# KiCad board rgbwstrip120_250_panel.kicad_pcb (continued)
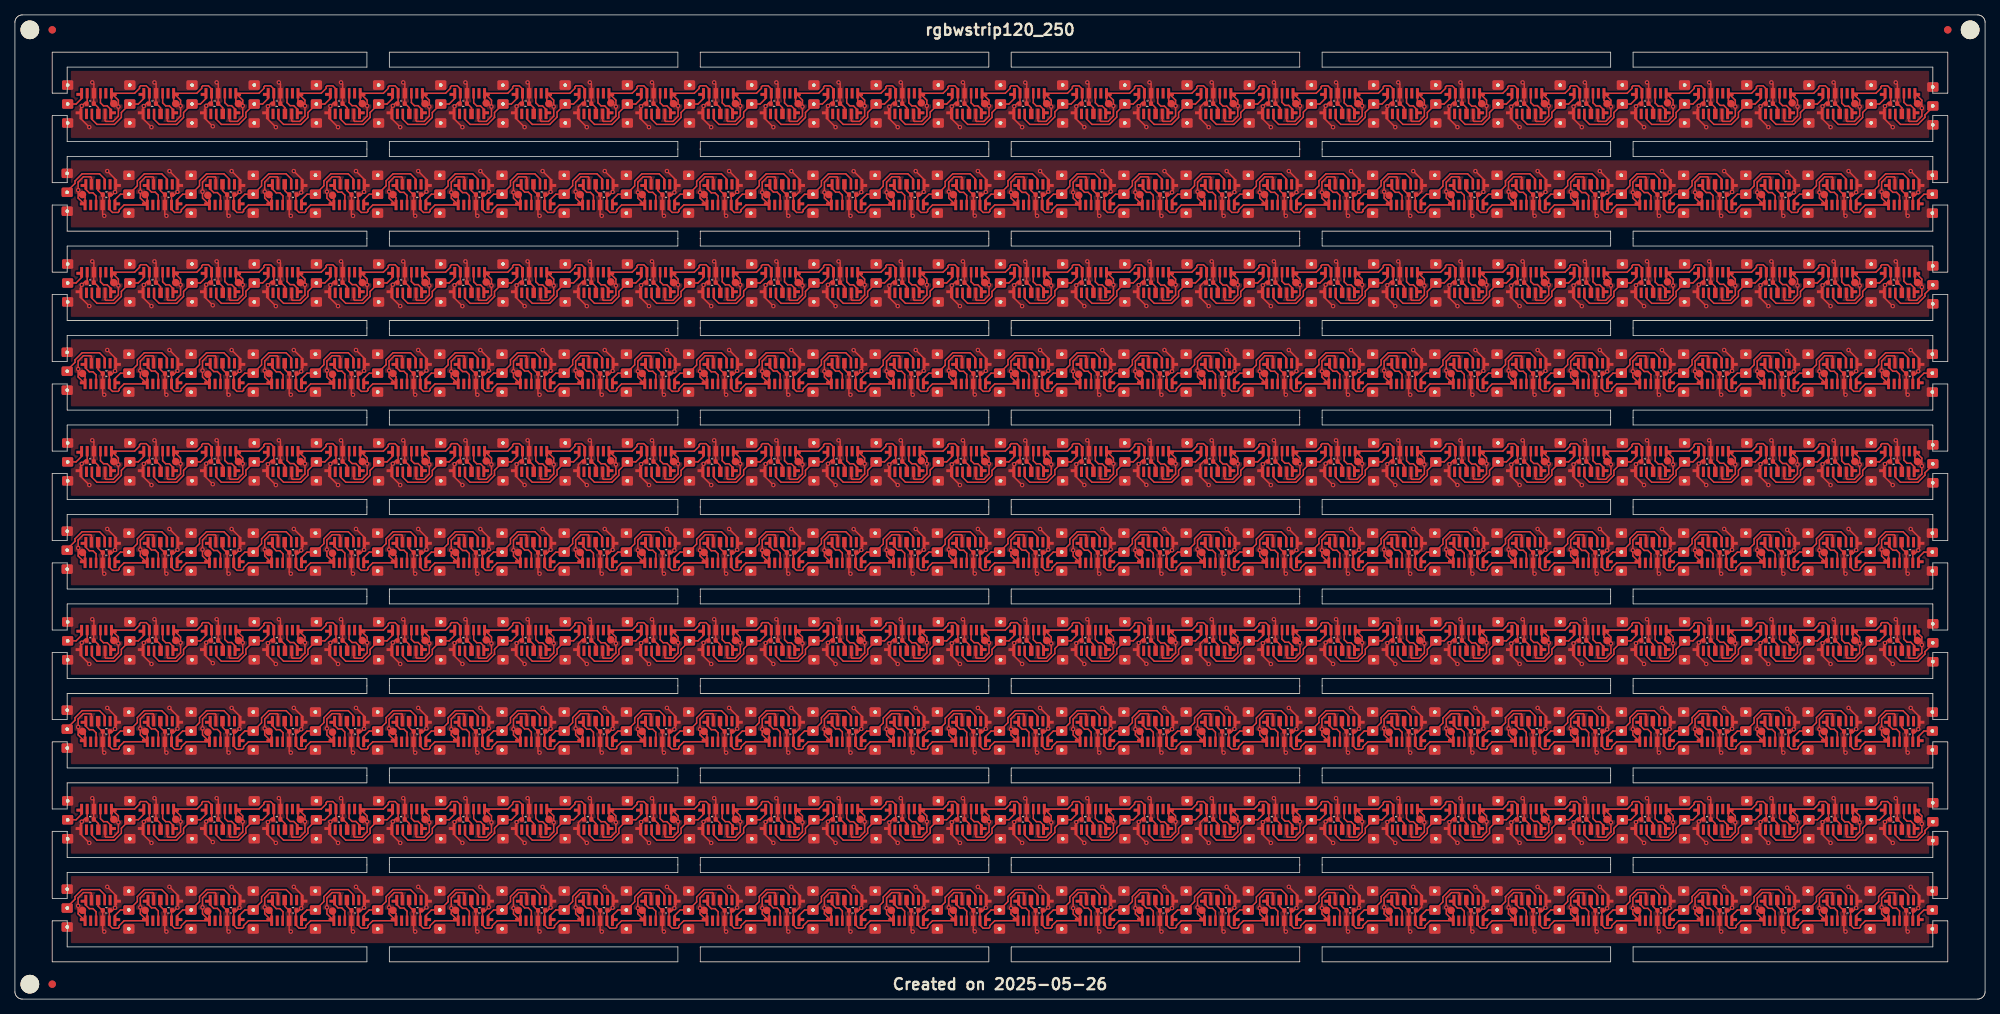
[diagram p0: board, top side]
## Placement (name value [footprint] x y rotation side) (continued)
U57#2  ~  [SK6805SIDE-FRGBW-BW-P6]  244.22 70.72 0 top
U57#3  ~  [SK6805SIDE-FRGBW-BW-P6]  19.78 37.28 180 top
U57#4  ~  [SK6805SIDE-FRGBW-BW-P6]  19.78 109.28 180 top
U57#5  ~  [SK6805SIDE-FRGBW-BW-P6]  244.22 22.72 0 top
U57#6  ~  [SK6805SIDE-FRGBW-BW-P6]  19.78 85.28 180 top
U57#7  ~  [SK6805SIDE-FRGBW-BW-P6]  244.22 94.72 0 top
U57#8  ~  [SK6805SIDE-FRGBW-BW-P6]  244.22 46.72 0 top
U57#9  ~  [SK6805SIDE-FRGBW-BW-P6]  19.78 61.28 180 top
U57#10  ~  [SK6805SIDE-FRGBW-BW-P6]  19.78 13.28 180 top
U58  ~  [SK6805SIDE-FRGBW-BW-P6]  19.78 34.51 0 top
U58#2  ~  [SK6805SIDE-FRGBW-BW-P6]  19.78 58.51 0 top
U58#3  ~  [SK6805SIDE-FRGBW-BW-P6]  19.78 10.51 0 top
U58#4  ~  [SK6805SIDE-FRGBW-BW-P6]  19.78 106.51 0 top
U58#5  ~  [SK6805SIDE-FRGBW-BW-P6]  244.22 73.49 180 top
U58#6  ~  [SK6805SIDE-FRGBW-BW-P6]  19.78 82.51 0 top
U58#7  ~  [SK6805SIDE-FRGBW-BW-P6]  244.22 121.49 180 top
U58#8  ~  [SK6805SIDE-FRGBW-BW-P6]  244.22 97.49 180 top
U58#9  ~  [SK6805SIDE-FRGBW-BW-P6]  244.22 25.49 180 top
U58#10  ~  [SK6805SIDE-FRGBW-BW-P6]  244.22 49.49 180 top
U59  ~  [SK6805SIDE-FRGBW-BW-P6]  252.55 22.72 0 top
U59#2  ~  [SK6805SIDE-FRGBW-BW-P6]  11.45 85.28 180 top
U59#3  ~  [SK6805SIDE-FRGBW-BW-P6]  252.55 94.72 0 top
U59#4  ~  [SK6805SIDE-FRGBW-BW-P6]  252.55 70.72 0 top
U59#5  ~  [SK6805SIDE-FRGBW-BW-P6]  11.45 37.28 180 top
U59#6  ~  [SK6805SIDE-FRGBW-BW-P6]  11.45 61.28 180 top
U59#7  ~  [SK6805SIDE-FRGBW-BW-P6]  11.45 109.28 180 top
U59#8  ~  [SK6805SIDE-FRGBW-BW-P6]  252.55 46.72 0 top
U59#9  ~  [SK6805SIDE-FRGBW-BW-P6]  11.45 13.28 180 top
U59#10  ~  [SK6805SIDE-FRGBW-BW-P6]  252.55 118.72 0 top
U60  ~  [SK6805SIDE-FRGBW-BW-P6]  252.55 25.49 180 top
U60#2  ~  [SK6805SIDE-FRGBW-BW-P6]  252.55 97.49 180 top
U60#3  ~  [SK6805SIDE-FRGBW-BW-P6]  11.45 10.51 0 top
U60#4  ~  [SK6805SIDE-FRGBW-BW-P6]  252.55 49.49 180 top
U60#5  ~  [SK6805SIDE-FRGBW-BW-P6]  11.45 106.51 0 top
U60#6  ~  [SK6805SIDE-FRGBW-BW-P6]  11.45 58.51 0 top
U60#7  ~  [SK6805SIDE-FRGBW-BW-P6]  11.45 34.51 0 top
U60#8  ~  [SK6805SIDE-FRGBW-BW-P6]  252.55 121.49 180 top
U60#9  ~  [SK6805SIDE-FRGBW-BW-P6]  252.55 73.49 180 top
U60#10  ~  [SK6805SIDE-FRGBW-BW-P6]  11.45 82.51 0 top

## Library data of the parts
C1 C1#2-C1#10 C2 C2#2-C2#10 C3 C3#2-C3#10 C4 C4#2-C4#10 C5 C5#2-C5#10 C6 C6#2-C6#10 C7 C7#2-C7#10 C8 C8#2-C8#10 C9 C9#2-C9#10 C10 C10#2-C10#10 C11 C11#2-C11#10 C12 C12#2-C12#10 C13 C13#2-C13#10 C14 C14#2-C14#10 C15 C15#2-C15#10 C16 C16#2-C16#10 C17 C17#2-C17#10 C18 C18#2-C18#10 C19 C19#2-C19#10 C20 C20#2-C20#10 C21 C21#2-C21#10 C22 C22#2-C22#10 C23 C23#2-C23#10 C24 C24#2-C24#10 C25 C25#2-C25#10 C26 C26#2-C26#10 C27 C27#2-C27#10 C28 C28#2-C28#10 C29 C29#2-C29#10 C30 C30#2-C30#10 = -: Description: Unpolarized capacitor; LCSC: C1525
J1 J1#2-J1#10 J2 J2#2-J2#10 J3 J3#2-J3#10 J4 J4#2-J4#10 J5 J5#2-J5#10 J6 J6#2-J6#10 J7 J7#2-J7#10 J8 J8#2-J8#10 J9 J9#2-J9#10 J10 J10#2-J10#10 J11 J11#2-J11#10 J12 J12#2-J12#10 J13 J13#2-J13#10 J14 J14#2-J14#10 J15 J15#2-J15#10 J16 J16#2-J16#10 J17 J17#2-J17#10 J18 J18#2-J18#10 J19 J19#2-J19#10 J20 J20#2-J20#10 J21 J21#2-J21#10 J22 J22#2-J22#10 J23 J23#2-J23#10 J24 J24#2-J24#10 J25 J25#2-J25#10 J26 J26#2-J26#10 J27 J27#2-J27#10 J28 J28#2-J28#10 J29 J29#2-J29#10 J30 J30#2-J30#10 J31 J31#2-J31#10 = -: Description: Generic connector, single row, 01x03, script generated (kicad-library-utils/schlib/autogen/connector/)
K1 K1#2-K1#10 K2 K2#2-K2#10 K3 K3#2-K3#10 K4 K4#2-K4#10 K5 K5#2-K5#10 K6 K6#2-K6#10 K7 K7#2-K7#10 K8 K8#2-K8#10 K9 K9#2-K9#10 K10 K10#2-K10#10 K11 K11#2-K11#10 K12 K12#2-K12#10 K13 K13#2-K13#10 K14 K14#2-K14#10 K15 K15#2-K15#10 K16 K16#2-K16#10 K17 K17#2-K17#10 K18 K18#2-K18#10 K19 K19#2-K19#10 K20 K20#2-K20#10 K21 K21#2-K21#10 K22 K22#2-K22#10 K23 K23#2-K23#10 K24 K24#2-K24#10 K25 K25#2-K25#10 K26 K26#2-K26#10 K27 K27#2-K27#10 K28 K28#2-K28#10 K29 K29#2-K29#10 K30 K30#2-K30#10 = -: Description: Generic connector, single row, 01x01, script generated (kicad-library-utils/schlib/autogen/connector/)
U1 U1#2-U1#10 U2 U2#2-U2#10 U3 U3#2-U3#10 U4 U4#2-U4#10 U5 U5#2-U5#10 U6 U6#2-U6#10 U7 U7#2-U7#10 U8 U8#2-U8#10 U9 U9#2-U9#10 U10 U10#2-U10#10 U11 U11#2-U11#10 U12 U12#2-U12#10 U13 U13#2-U13#10 U14 U14#2-U14#10 U15 U15#2-U15#10 U16 U16#2-U16#10 U17 U17#2-U17#10 U18 U18#2-U18#10 U19 U19#2-U19#10 U20 U20#2-U20#10 U21 U21#2-U21#10 U22 U22#2-U22#10 U23 U23#2-U23#10 U24 U24#2-U24#10 U25 U25#2-U25#10 U26 U26#2-U26#10 U27 U27#2-U27#10 U28 U28#2-U28#10 U29 U29#2-U29#10 U30 U30#2-U30#10 U31 U31#2-U31#10 U32 U32#2-U32#10 U33 U33#2-U33#10 U34 U34#2-U34#10 U35 U35#2-U35#10 U36 U36#2-U36#10 U37 U37#2-U37#10 U38 U38#2-U38#10 U39 U39#2-U39#10 U40 U40#2-U40#10 U41 U41#2-U41#10 U42 U42#2-U42#10 U43 U43#2-U43#10 U44 U44#2-U44#10 U45 U45#2-U45#10 U46 U46#2-U46#10 U47 U47#2-U47#10 U48 U48#2-U48#10 U49 U49#2-U49#10 U50 U50#2-U50#10 U51 U51#2-U51#10 U52 U52#2-U52#10 U53 U53#2-U53#10 U54 U54#2-U54#10 U55 U55#2-U55#10 U56 U56#2-U56#10 U57 U57#2-U57#10 U58 U58#2-U58#10 U59 U59#2-U59#10 U60 U60#2-U60#10 = -: LCSC: C7423108

## Footprints (pads in the part's own frame, mm; a bottom-side part is the same pattern mirrored in y, then rotated)
3PADSPLIT
  rrect 1.5x1.27 hole 0.5: 1(0,2.54) 2(0,0) 3(0,-2.54)
C_0402_1005Metric
  rrect 0.56x0.62 smd: 1(-0.48,0) 2(0.48,0)
Fiducial
  round 1 smd: (0,0)
NPTH
  round 2.5 hole 2.5 unplated: (0,0)
PINPAD
  round 1 smd: 1(0,0)
SK6805SIDE-FRGBW-BW-P6
  custom 0.9x1.4 smd: 1(-2.05,0) 6(1.95,0)
  custom 0.4x1.4 smd: 2(-1.3,0) 5(1.2,0)
  custom 0.35x1.4 smd: 3(-0.575,0)
  custom 0.6x1.4 smd: 4(0.3,0)

## Nets
Board_0-+3.3V: C1#8.1 C2#10.1 C3#8.1 C4#9.1 C5#2.1 C6#9.1 C7#10.1 C8#3.1 C9#6.1 C10#7.1 C11#7.1 C12#6.1 C13#9.1 C14.1 C15#7.1 C16#2.1 C17#4.1 C18#6.1 C19#3.1 C20#7.1 C21#3.1 C22#9.1 C23#5.1 C24#10.1 C25#3.1 C26#8.1 C27#9.1 C28#3.1 C29#7.1 C30#8.1 J1.1 J2#10.1 J3#10.1 J4#2.1 J5#6.1 J6.1 J7#6.1 J8#4.1 J9.1 J10#5.1 J11#10.1 J12#9.1 J13#7.1 J14#5.1 J15#6.1 J16#5.1 J17#5.1 J18#10.1 J19.1 J20#5.1 J21#5.1 J22#9.1 J23#9.1 J24#2.1 J25#5.1 J26#8.1 J27#10.1 J28#8.1 J29#4.1 J30#6.1 J31#10.1 K1#5.1 K2.1 K3#5.1 K4#8.1 K5#5.1 K6#4.1 K7#9.1 K8#5.1 K9#10.1 K10#10.1 K11#8.1 K12#3.1 K13#8.1 K14#9.1 K15#2.1 K16.1 K17#5.1 K18#8.1 K19.1 K20#10.1 K21#8.1 K22#10.1 K23#9.1 K24#4.1 K25#10.1 K26#4.1 K27#9.1 K28#7.1 K29#6.1 K30#8.1 U1#3.1 U1#3.5 U2#9.1 U2#9.5 U3#8.1 U3#8.5 U4#8.1 U4#8.5 U5#7.1 U5#7.5 U6#4.1 U6#4.5 U7#7.1 U7#7.5 U8#3.1 U8#3.5 U9#2.1 U9#2.5 U10#4.1 U10#4.5 U11#7.1 U11#7.5 U12.1 U12.5 U13#4.1 U13#4.5 U14#6.1 U14#6.5 U15#7.1 U15#7.5 U16#5.1 U16#5.5 U17#7.1 U17#7.5 U18#5.1 U18#5.5 U19#9.1 U19#9.5 U20#4.1 U20#4.5 U21#9.1 U21#9.5 U22#2.1 U22#2.5 U23#8.1 U23#8.5 U24#4.1 U24#4.5 U25#8.1 U25#8.5 U26#4.1 U26#4.5 U27#8.1 U27#8.5 U28#4.1 U28#4.5 U29#2.1 U29#2.5 U30#3.1 U30#3.5 U31#9.1 U31#9.5 U32#5.1 U32#5.5 U33#5.1 U33#5.5 U34#5.1 U34#5.5 U35#6.1 U35#6.5 U36.1 U36.5 U37#8.1 U37#8.5 U38#4.1 U38#4.5 U39#10.1 U39#10.5 U40#7.1 U40#7.5 U41#7.1 U41#7.5 U42#6.1 U42#6.5 U43#2.1 U43#2.5 U44#9.1 U44#9.5 U45#6.1 U45#6.5 U46.1 U46.5 U47#9.1 U47#9.5 U48#10.1 U48#10.5 U49#3.1 U49#3.5 U50.1 U50.5 U51#9.1 U51#9.5 U52#7.1 U52#7.5 U53#5.1 U53#5.5 U54#4.1 U54#4.5 U55#6.1 U55#6.5 U56#4.1 U56#4.5 U57.1 U57.5 U58#7.1 U58#7.5 U59#10.1 U59#10.5 U60#8.1 U60#8.5
Board_0-GND: C1#8.2 C2#10.2 C3#8.2 C4#9.2 C5#2.2 C6#9.2 C7#10.2 C8#3.2 C9#6.2 C10#7.2 C11#7.2 C12#6.2 C13#9.2 C14.2 C15#7.2 C16#2.2 C17#4.2 C18#6.2 C19#3.2 C20#7.2 C21#3.2 C22#9.2 C23#5.2 C24#10.2 C25#3.2 C26#8.2 C27#9.2 C28#3.2 C29#7.2 C30#8.2 J1.3 J2#10.3 J3#10.3 J4#2.3 J5#6.3 J6.3 J7#6.3 J8#4.3 J9.3 J10#5.3 J11#10.3 J12#9.3 J13#7.3 J14#5.3 J15#6.3 J16#5.3 J17#5.3 J18#10.3 J19.3 J20#5.3 J21#5.3 J22#9.3 J23#9.3 J24#2.3 J25#5.3 J26#8.3 J27#10.3 J28#8.3 J29#4.3 J30#6.3 J31#10.3 U1#3.4 U2#9.4 U3#8.4 U4#8.4 U5#7.4 U6#4.4 U7#7.4 U8#3.4 U9#2.4 U10#4.4 U11#7.4 U12.4 U13#4.4 U14#6.4 U15#7.4 U16#5.4 U17#7.4 U18#5.4 U19#9.4 U20#4.4 U21#9.4 U22#2.4 U23#8.4 U24#4.4 U25#8.4 U26#4.4 U27#8.4 U28#4.4 U29#2.4 U30#3.4 U31#9.4 U32#5.4 U33#5.4 U34#5.4 U35#6.4 U36.4 U37#8.4 U38#4.4 U39#10.4 U40#7.4 U41#7.4 U42#6.4 U43#2.4 U44#9.4 U45#6.4 U46.4 U47#9.4 U48#10.4 U49#3.4 U50.4 U51#9.4 U52#7.4 U53#5.4 U54#4.4 U55#6.4 U56#4.4 U57.4 U58#7.4 U59#10.4 U60#8.4
Board_0-Net-(J1-Pin_2): J1.2 U2#9.6
Board_0-Net-(J2-Pin_2): J2#10.2 U1#3.3 U4#8.6
Board_0-Net-(J3-Pin_2): J3#10.2 U3#8.3 U6#4.6
Board_0-Net-(J4-Pin_2): J4#2.2 U5#7.3 U8#3.6
Board_0-Net-(J5-Pin_2): J5#6.2 U7#7.3 U10#4.6
Board_0-Net-(J6-Pin_2): J6.2 U9#2.3 U12.6
Board_0-Net-(J7-Pin_2): J7#6.2 U11#7.3 U14#6.6
Board_0-Net-(J8-Pin_2): J8#4.2 U13#4.3 U16#5.6
Board_0-Net-(J9-Pin_2): J9.2 U15#7.3 U18#5.6
Board_0-Net-(J10-Pin_2): J10#5.2 U17#7.3 U20#4.6
Board_0-Net-(J11-Pin_2): J11#10.2 U19#9.3 U22#2.6
Board_0-Net-(J12-Pin_2): J12#9.2 U21#9.3 U24#4.6
Board_0-Net-(J13-Pin_2): J13#7.2 U23#8.3 U26#4.6
Board_0-Net-(J14-Pin_2): J14#5.2 U25#8.3 U28#4.6
Board_0-Net-(J15-Pin_2): J15#6.2 U27#8.3 U30#3.6
Board_0-Net-(J16-Pin_2): J16#5.2 U29#2.3 U32#5.6
Board_0-Net-(J17-Pin_2): J17#5.2 U31#9.3 U34#5.6
Board_0-Net-(J18-Pin_2): J18#10.2 U33#5.3 U36.6
Board_0-Net-(J19-Pin_2): J19.2 U35#6.3 U38#4.6
Board_0-Net-(J20-Pin_2): J20#5.2 U37#8.3 U40#7.6
Board_0-Net-(J21-Pin_2): J21#5.2 U39#10.3 U42#6.6
Board_0-Net-(J22-Pin_2): J22#9.2 U41#7.3 U44#9.6
Board_0-Net-(J23-Pin_2): J23#9.2 U43#2.3 U46.6
Board_0-Net-(J24-Pin_2): J24#2.2 U45#6.3 U48#10.6
Board_0-Net-(J25-Pin_2): J25#5.2 U47#9.3 U50.6
Board_0-Net-(J26-Pin_2): J26#8.2 U49#3.3 U52#7.6
Board_0-Net-(J27-Pin_2): J27#10.2 U51#9.3 U54#4.6
Board_0-Net-(J28-Pin_2): J28#8.2 U53#5.3 U56#4.6
Board_0-Net-(J29-Pin_2): J29#4.2 U55#6.3 U58#7.6
Board_0-Net-(J30-Pin_2): J30#6.2 U57.3 U60#8.6
Board_0-Net-(J31-Pin_2): J31#10.2 U59#10.3
Board_0-Net-(U1-DIN): U1#3.6 U2#9.3
Board_0-Net-(U3-DIN): U3#8.6 U4#8.3
Board_0-Net-(U5-DIN): U5#7.6 U6#4.3
Board_0-Net-(U7-DIN): U7#7.6 U8#3.3
Board_0-Net-(U10-DOUT): U9#2.6 U10#4.3
Board_0-Net-(U11-DIN): U11#7.6 U12.3
Board_0-Net-(U13-DIN): U13#4.6 U14#6.3
Board_0-Net-(U15-DIN): U15#7.6 U16#5.3
Board_0-Net-(U17-DIN): U17#7.6 U18#5.3
Board_0-Net-(U19-DIN): U19#9.6 U20#4.3
Board_0-Net-(U21-DIN): U21#9.6 U22#2.3
Board_0-Net-(U23-DIN): U23#8.6 U24#4.3
Board_0-Net-(U25-DIN): U25#8.6 U26#4.3
Board_0-Net-(U27-DIN): U27#8.6 U28#4.3
Board_0-Net-(U29-DIN): U29#2.6 U30#3.3
Board_0-Net-(U31-DIN): U31#9.6 U32#5.3
Board_0-Net-(U33-DIN): U33#5.6 U34#5.3
Board_0-Net-(U35-DIN): U35#6.6 U36.3
Board_0-Net-(U37-DIN): U37#8.6 U38#4.3
Board_0-Net-(U39-DIN): U39#10.6 U40#7.3
Board_0-Net-(U41-DIN): U41#7.6 U42#6.3
Board_0-Net-(U43-DIN): U43#2.6 U44#9.3
Board_0-Net-(U45-DIN): U45#6.6 U46.3
Board_0-Net-(U47-DIN): U47#9.6 U48#10.3
Board_0-Net-(U49-DIN): U49#3.6 U50.3
Board_0-Net-(U51-DIN): U51#9.6 U52#7.3
Board_0-Net-(U53-DIN): U53#5.6 U54#4.3
Board_0-Net-(U55-DIN): U55#6.6 U56#4.3
Board_0-Net-(U57-DIN): U57.6 U58#7.3
Board_0-Net-(U59-DIN): U59#10.6 U60#8.3
Board_0-unconnected-(U1-NC-Pad2): U1#3.2
Board_0-unconnected-(U2-NC-Pad2): U2#9.2
Board_0-unconnected-(U3-NC-Pad2): U3#8.2
Board_0-unconnected-(U4-NC-Pad2): U4#8.2
Board_0-unconnected-(U5-NC-Pad2): U5#7.2
Board_0-unconnected-(U6-NC-Pad2): U6#4.2
Board_0-unconnected-(U7-NC-Pad2): U7#7.2
Board_0-unconnected-(U8-NC-Pad2): U8#3.2
Board_0-unconnected-(U9-NC-Pad2): U9#2.2
Board_0-unconnected-(U10-NC-Pad2): U10#4.2
Board_0-unconnected-(U11-NC-Pad2): U11#7.2
Board_0-unconnected-(U12-NC-Pad2): U12.2
Board_0-unconnected-(U13-NC-Pad2): U13#4.2
Board_0-unconnected-(U14-NC-Pad2): U14#6.2
Board_0-unconnected-(U15-NC-Pad2): U15#7.2
Board_0-unconnected-(U16-NC-Pad2): U16#5.2
Board_0-unconnected-(U17-NC-Pad2): U17#7.2
Board_0-unconnected-(U18-NC-Pad2): U18#5.2
Board_0-unconnected-(U19-NC-Pad2): U19#9.2
Board_0-unconnected-(U20-NC-Pad2): U20#4.2
Board_0-unconnected-(U21-NC-Pad2): U21#9.2
Board_0-unconnected-(U22-NC-Pad2): U22#2.2
Board_0-unconnected-(U23-NC-Pad2): U23#8.2
Board_0-unconnected-(U24-NC-Pad2): U24#4.2
Board_0-unconnected-(U25-NC-Pad2): U25#8.2
Board_0-unconnected-(U26-NC-Pad2): U26#4.2
Board_0-unconnected-(U27-NC-Pad2): U27#8.2
Board_0-unconnected-(U28-NC-Pad2): U28#4.2
Board_0-unconnected-(U29-NC-Pad2): U29#2.2
Board_0-unconnected-(U30-NC-Pad2): U30#3.2
Board_0-unconnected-(U31-NC-Pad2): U31#9.2
Board_0-unconnected-(U32-NC-Pad2): U32#5.2
Board_0-unconnected-(U33-NC-Pad2): U33#5.2
Board_0-unconnected-(U34-NC-Pad2): U34#5.2
Board_0-unconnected-(U35-NC-Pad2): U35#6.2
Board_0-unconnected-(U36-NC-Pad2): U36.2
Board_0-unconnected-(U37-NC-Pad2): U37#8.2
Board_0-unconnected-(U38-NC-Pad2): U38#4.2
Board_0-unconnected-(U39-NC-Pad2): U39#10.2
Board_0-unconnected-(U40-NC-Pad2): U40#7.2
Board_0-unconnected-(U41-NC-Pad2): U41#7.2
Board_0-unconnected-(U42-NC-Pad2): U42#6.2
Board_0-unconnected-(U43-NC-Pad2): U43#2.2
Board_0-unconnected-(U44-NC-Pad2): U44#9.2
Board_0-unconnected-(U45-NC-Pad2): U45#6.2
Board_0-unconnected-(U46-NC-Pad2): U46.2
Board_0-unconnected-(U47-NC-Pad2): U47#9.2
Board_0-unconnected-(U48-NC-Pad2): U48#10.2
Board_0-unconnected-(U49-NC-Pad2): U49#3.2
Board_0-unconnected-(U50-NC-Pad2): U50.2
Board_0-unconnected-(U51-NC-Pad2): U51#9.2
Board_0-unconnected-(U52-NC-Pad2): U52#7.2
Board_0-unconnected-(U53-NC-Pad2): U53#5.2
Board_0-unconnected-(U54-NC-Pad2): U54#4.2
Board_0-unconnected-(U55-NC-Pad2): U55#6.2
Board_0-unconnected-(U56-NC-Pad2): U56#4.2
Board_0-unconnected-(U57-NC-Pad2): U57.2
Board_0-unconnected-(U58-NC-Pad2): U58#7.2
Board_0-unconnected-(U59-NC-Pad2): U59#10.2
Board_0-unconnected-(U60-NC-Pad2): U60#8.2
Board_1-+3.3V: C1#5.1 C2#3.1 C3#3.1 C4.1 C5#5.1 C6#6.1 C7#6.1 C8#10.1 C9#10.1 C10.1 C11.1 C12#7.1 C13.1 C14#3.1 C15#4.1 C16#10.1 C17#7.1 C18.1 C19#2.1 C20#4.1 C21#2.1 C22.1 C23.1 C24#8.1 C25#10.1 C26.1 C27#8.1 C28#4.1 C29#6.1 C30#7.1 J1#7.1 J2#9.1 J3#6.1 J4.1 J5#7.1 J6#8.1 J7#8.1 J8#10.1 J9#2.1 J10#8.1 J11#7.1 J12.1 J13#10.1 J14#10.1 J15#2.1 J16#10.1 J17.1 J18#7.1 J19#8.1 J20#7.1 J21#8.1 J22#4.1 J23#8.1 J24#3.1 J25#6.1 J26#4.1 J27.1 J28#7.1 J29#7.1 J30#10.1 J31#6.1 K1#4.1 K2#2.1 K3#9.1 K4#7.1 K5#6.1 K6#9.1 K7#3.1 K8#6.1 K9#3.1 K10#6.1 K11#7.1 K12#7.1 K13#5.1 K14#2.1 K15#4.1 K16#4.1 K17#8.1 K18#2.1 K19#9.1 K20#6.1 K21#6.1 K22#4.1 K23#7.1 K24#8.1 K25#6.1 K26#5.1 K27#2.1 K28.1 K29#2.1 K30#7.1 U1#6.1 U1#6.5 U2#2.1 U2#2.5 U3#10.1 U3#10.5 U4#6.1 U4#6.5 U5.1 U5.5 U6#6.1 U6#6.5 U7#10.1 U7#10.5 U8#8.1 U8#8.5 U9#10.1 U9#10.5 U10#9.1 U10#9.5 U11#8.1 U11#8.5 U12#5.1 U12#5.5 U13#2.1 U13#2.5 U14#3.1 U14#3.5 U15#5.1 U15#5.5 U16#8.1 U16#8.5 U17#10.1 U17#10.5 U18#10.1 U18#10.5 U19#4.1 U19#4.5 U20#5.1 U20#5.5 U21#7.1 U21#7.5 U22#10.1 U22#10.5 U23#10.1 U23#10.5 U24#5.1 U24#5.5 U25#4.1 U25#4.5 U26#6.1 U26#6.5 U27#9.1 U27#9.5 U28#3.1 U28#3.5 U29#8.1 U29#8.5 U30#9.1 U30#9.5 U31#3.1 U31#3.5 U32.1 U32.5 U33#9.1 U33#9.5 U34#2.1 U34#2.5 U35#10.1 U35#10.5 U36#5.1 U36#5.5 U37#5.1 U37#5.5 U38#9.1 U38#9.5 U39#8.1 U39#8.5 U40#3.1 U40#3.5 U41#10.1 U41#10.5 U42#4.1 U42#4.5 U43#9.1 U43#9.5 U44#7.1 U44#7.5 U45#8.1 U45#8.5 U46#5.1 U46#5.5 U47.1 U47.5 U48#6.1 U48#6.5 U49#2.1 U49#2.5 U50#3.1 U50#3.5 U51#10.1 U51#10.5 U52#2.1 U52#2.5 U53#2.1 U53#2.5 U54#8.1 U54#8.5 U55#5.1 U55#5.5 U56.1 U56.5 U57#4.1 U57#4.5 U58#4.1 U58#4.5 U59#7.1 U59#7.5 U60#5.1 U60#5.5
Board_1-GND: C1#5.2 C2#3.2 C3#3.2 C4.2 C5#5.2 C6#6.2 C7#6.2 C8#10.2 C9#10.2 C10.2 C11.2 C12#7.2 C13.2 C14#3.2 C15#4.2 C16#10.2 C17#7.2 C18.2 C19#2.2 C20#4.2 C21#2.2 C22.2 C23.2 C24#8.2 C25#10.2 C26.2 C27#8.2 C28#4.2 C29#6.2 C30#7.2 J1#7.3 J2#9.3 J3#6.3 J4.3 J5#7.3 J6#8.3 J7#8.3 J8#10.3 J9#2.3 J10#8.3 J11#7.3 J12.3 J13#10.3 J14#10.3 J15#2.3 J16#10.3 J17.3 J18#7.3 J19#8.3 J20#7.3 J21#8.3 J22#4.3 J23#8.3 J24#3.3 J25#6.3 J26#4.3 J27.3 J28#7.3 J29#7.3 J30#10.3 J31#6.3 U1#6.4 U2#2.4 U3#10.4 U4#6.4 U5.4 U6#6.4 U7#10.4 U8#8.4 U9#10.4 U10#9.4 U11#8.4 U12#5.4 U13#2.4 U14#3.4 U15#5.4 U16#8.4 U17#10.4 U18#10.4 U19#4.4 U20#5.4 U21#7.4 U22#10.4 U23#10.4 U24#5.4 U25#4.4 U26#6.4 U27#9.4 U28#3.4 U29#8.4 U30#9.4 U31#3.4 U32.4 U33#9.4 U34#2.4 U35#10.4 U36#5.4 U37#5.4 U38#9.4 U39#8.4 U40#3.4 U41#10.4 U42#4.4 U43#9.4 U44#7.4 U45#8.4 U46#5.4 U47.4 U48#6.4 U49#2.4 U50#3.4 U51#10.4 U52#2.4 U53#2.4 U54#8.4 U55#5.4 U56.4 U57#4.4 U58#4.4 U59#7.4 U60#5.4
Board_1-Net-(J1-Pin_2): J1#7.2 U2#2.6
Board_1-Net-(J2-Pin_2): J2#9.2 U1#6.3 U4#6.6
Board_1-Net-(J3-Pin_2): J3#6.2 U3#10.3 U6#6.6
Board_1-Net-(J4-Pin_2): J4.2 U5.3 U8#8.6
Board_1-Net-(J5-Pin_2): J5#7.2 U7#10.3 U10#9.6
Board_1-Net-(J6-Pin_2): J6#8.2 U9#10.3 U12#5.6
Board_1-Net-(J7-Pin_2): J7#8.2 U11#8.3 U14#3.6
Board_1-Net-(J8-Pin_2): J8#10.2 U13#2.3 U16#8.6
Board_1-Net-(J9-Pin_2): J9#2.2 U15#5.3 U18#10.6
Board_1-Net-(J10-Pin_2): J10#8.2 U17#10.3 U20#5.6
Board_1-Net-(J11-Pin_2): J11#7.2 U19#4.3 U22#10.6
Board_1-Net-(J12-Pin_2): J12.2 U21#7.3 U24#5.6
Board_1-Net-(J13-Pin_2): J13#10.2 U23#10.3 U26#6.6
Board_1-Net-(J14-Pin_2): J14#10.2 U25#4.3 U28#3.6
Board_1-Net-(J15-Pin_2): J15#2.2 U27#9.3 U30#9.6
Board_1-Net-(J16-Pin_2): J16#10.2 U29#8.3 U32.6
Board_1-Net-(J17-Pin_2): J17.2 U31#3.3 U34#2.6
Board_1-Net-(J18-Pin_2): J18#7.2 U33#9.3 U36#5.6
Board_1-Net-(J19-Pin_2): J19#8.2 U35#10.3 U38#9.6
Board_1-Net-(J20-Pin_2): J20#7.2 U37#5.3 U40#3.6
Board_1-Net-(J21-Pin_2): J21#8.2 U39#8.3 U42#4.6
Board_1-Net-(J22-Pin_2): J22#4.2 U41#10.3 U44#7.6
Board_1-Net-(J23-Pin_2): J23#8.2 U43#9.3 U46#5.6
Board_1-Net-(J24-Pin_2): J24#3.2 U45#8.3 U48#6.6
Board_1-Net-(J25-Pin_2): J25#6.2 U47.3 U50#3.6
Board_1-Net-(J26-Pin_2): J26#4.2 U49#2.3 U52#2.6
Board_1-Net-(J27-Pin_2): J27.2 U51#10.3 U54#8.6
Board_1-Net-(J28-Pin_2): J28#7.2 U53#2.3 U56.6
Board_1-Net-(J29-Pin_2): J29#7.2 U55#5.3 U58#4.6
Board_1-Net-(J30-Pin_2): J30#10.2 U57#4.3 U60#5.6
Board_1-Net-(J31-Pin_2): J31#6.2 U59#7.3
Board_1-Net-(U1-DIN): U1#6.6 U2#2.3
Board_1-Net-(U3-DIN): U3#10.6 U4#6.3
Board_1-Net-(U5-DIN): U5.6 U6#6.3
Board_1-Net-(U7-DIN): U7#10.6 U8#8.3
Board_1-Net-(U10-DOUT): U9#10.6 U10#9.3
Board_1-Net-(U11-DIN): U11#8.6 U12#5.3
Board_1-Net-(U13-DIN): U13#2.6 U14#3.3
Board_1-Net-(U15-DIN): U15#5.6 U16#8.3
Board_1-Net-(U17-DIN): U17#10.6 U18#10.3
Board_1-Net-(U19-DIN): U19#4.6 U20#5.3
Board_1-Net-(U21-DIN): U21#7.6 U22#10.3
Board_1-Net-(U23-DIN): U23#10.6 U24#5.3
Board_1-Net-(U25-DIN): U25#4.6 U26#6.3
Board_1-Net-(U27-DIN): U27#9.6 U28#3.3
Board_1-Net-(U29-DIN): U29#8.6 U30#9.3
Board_1-Net-(U31-DIN): U31#3.6 U32.3
Board_1-Net-(U33-DIN): U33#9.6 U34#2.3
Board_1-Net-(U35-DIN): U35#10.6 U36#5.3
Board_1-Net-(U37-DIN): U37#5.6 U38#9.3
Board_1-Net-(U39-DIN): U39#8.6 U40#3.3
Board_1-Net-(U41-DIN): U41#10.6 U42#4.3
Board_1-Net-(U43-DIN): U43#9.6 U44#7.3
Board_1-Net-(U45-DIN): U45#8.6 U46#5.3
Board_1-Net-(U47-DIN): U47.6 U48#6.3
Board_1-Net-(U49-DIN): U49#2.6 U50#3.3
Board_1-Net-(U51-DIN): U51#10.6 U52#2.3
Board_1-Net-(U53-DIN): U53#2.6 U54#8.3
Board_1-Net-(U55-DIN): U55#5.6 U56.3
Board_1-Net-(U57-DIN): U57#4.6 U58#4.3
Board_1-Net-(U59-DIN): U59#7.6 U60#5.3
Board_1-unconnected-(U1-NC-Pad2): U1#6.2
Board_1-unconnected-(U2-NC-Pad2): U2#2.2
Board_1-unconnected-(U3-NC-Pad2): U3#10.2
Board_1-unconnected-(U4-NC-Pad2): U4#6.2
Board_1-unconnected-(U5-NC-Pad2): U5.2
Board_1-unconnected-(U6-NC-Pad2): U6#6.2
Board_1-unconnected-(U7-NC-Pad2): U7#10.2
Board_1-unconnected-(U8-NC-Pad2): U8#8.2
Board_1-unconnected-(U9-NC-Pad2): U9#10.2
Board_1-unconnected-(U10-NC-Pad2): U10#9.2
Board_1-unconnected-(U11-NC-Pad2): U11#8.2
Board_1-unconnected-(U12-NC-Pad2): U12#5.2
Board_1-unconnected-(U13-NC-Pad2): U13#2.2
Board_1-unconnected-(U14-NC-Pad2): U14#3.2
Board_1-unconnected-(U15-NC-Pad2): U15#5.2
Board_1-unconnected-(U16-NC-Pad2): U16#8.2
Board_1-unconnected-(U17-NC-Pad2): U17#10.2
Board_1-unconnected-(U18-NC-Pad2): U18#10.2
Board_1-unconnected-(U19-NC-Pad2): U19#4.2
Board_1-unconnected-(U20-NC-Pad2): U20#5.2
Board_1-unconnected-(U21-NC-Pad2): U21#7.2
Board_1-unconnected-(U22-NC-Pad2): U22#10.2
Board_1-unconnected-(U23-NC-Pad2): U23#10.2
Board_1-unconnected-(U24-NC-Pad2): U24#5.2
Board_1-unconnected-(U25-NC-Pad2): U25#4.2
Board_1-unconnected-(U26-NC-Pad2): U26#6.2
Board_1-unconnected-(U27-NC-Pad2): U27#9.2
Board_1-unconnected-(U28-NC-Pad2): U28#3.2
Board_1-unconnected-(U29-NC-Pad2): U29#8.2
Board_1-unconnected-(U30-NC-Pad2): U30#9.2
Board_1-unconnected-(U31-NC-Pad2): U31#3.2
Board_1-unconnected-(U32-NC-Pad2): U32.2
Board_1-unconnected-(U33-NC-Pad2): U33#9.2
Board_1-unconnected-(U34-NC-Pad2): U34#2.2
Board_1-unconnected-(U35-NC-Pad2): U35#10.2
Board_1-unconnected-(U36-NC-Pad2): U36#5.2
Board_1-unconnected-(U37-NC-Pad2): U37#5.2
Board_1-unconnected-(U38-NC-Pad2): U38#9.2
Board_1-unconnected-(U39-NC-Pad2): U39#8.2
Board_1-unconnected-(U40-NC-Pad2): U40#3.2
Board_1-unconnected-(U41-NC-Pad2): U41#10.2
Board_1-unconnected-(U42-NC-Pad2): U42#4.2
Board_1-unconnected-(U43-NC-Pad2): U43#9.2
Board_1-unconnected-(U44-NC-Pad2): U44#7.2
Board_1-unconnected-(U45-NC-Pad2): U45#8.2
Board_1-unconnected-(U46-NC-Pad2): U46#5.2
Board_1-unconnected-(U47-NC-Pad2): U47.2
Board_1-unconnected-(U48-NC-Pad2): U48#6.2
Board_1-unconnected-(U49-NC-Pad2): U49#2.2
Board_1-unconnected-(U50-NC-Pad2): U50#3.2
Board_1-unconnected-(U51-NC-Pad2): U51#10.2
Board_1-unconnected-(U52-NC-Pad2): U52#2.2
Board_1-unconnected-(U53-NC-Pad2): U53#2.2
Board_1-unconnected-(U54-NC-Pad2): U54#8.2
Board_1-unconnected-(U55-NC-Pad2): U55#5.2
Board_1-unconnected-(U56-NC-Pad2): U56.2
Board_1-unconnected-(U57-NC-Pad2): U57#4.2
Board_1-unconnected-(U58-NC-Pad2): U58#4.2
Board_1-unconnected-(U59-NC-Pad2): U59#7.2
Board_1-unconnected-(U60-NC-Pad2): U60#5.2
Board_2-+3.3V: C1#7.1 C2#2.1 C3#2.1 C4#6.1 C5#7.1 C6#8.1 C7#9.1 C8#6.1 C9#8.1 C10#2.1 C11#2.1 C12#5.1 C13#8.1 C14#4.1 C15.1 C16#3.1 C17#10.1 C18#7.1 C19#4.1 C20#9.1 C21#5.1 C22#2.1 C23#2.1 C24.1 C25#5.1 C26#7.1 C27#10.1 C28#10.1 C29#4.1 C30.1 J1#10.1 J2#5.1 J3#3.1 J4#10.1 J5#2.1 J6#5.1 J7#3.1 J8#9.1 J9#3.1 J10#9.1 J11.1 J12#8.1 J13#5.1 J14#7.1 J15#10.1 J16#3.1 J17#6.1 J18#2.1 J19#2.1 J20#4.1 J21#7.1 J22#10.1 J23#7.1 J24#9.1 J25.1 J26#3.1 J27#5.1 J28.1 J29.1 J30#4.1 J31#3.1 K1#6.1 K2#6.1 K3#6.1 K4#2.1 K5#7.1 K6#7.1 K7#5.1 K8#3.1 K9#4.1 K10#4.1 K11#10.1 K12#9.1 K13#4.1 K14.1 K15#10.1 K16#9.1 K17#7.1 K18#5.1 K19#6.1 K20.1 K21#3.1 K22#3.1 K23#3.1 K24#5.1 K25#3.1 K26#2.1 K27#6.1 K28#9.1 K29#9.1 K30#6.1 U1.1 U1.5 U2#8.1 U2#8.5 U3#3.1 U3#3.5 U4#3.1 U4#3.5 U5#5.1 U5#5.5 U6#9.1 U6#9.5 U7#3.1 U7#3.5 U8#5.1 U8#5.5 U9.1 U9.5 U10.1 U10.5 U11#5.1 U11#5.5 U12#6.1 U12#6.5 U13#7.1 U13#7.5 U14.1 U14.5 U15.1 U15.5 U16#3.1 U16#3.5 U17#9.1 U17#9.5 U18#9.1 U18#9.5 U19#7.1 U19#7.5 U20#7.1 U20#7.5 U21#6.1 U21#6.5 U22#7.1 U22#7.5 U23.1 U23.5 U24.1 U24.5 U25#5.1 U25#5.5 U26#7.1 U26#7.5 U27#5.1 U27#5.5 U28#9.1 U28#9.5 U29#3.1 U29#3.5 U30#4.1 U30#4.5 U31#8.1 U31#8.5 U32#4.1 U32#4.5 U33#6.1 U33#6.5 U34.1 U34.5 U35#8.1 U35#8.5 U36#10.1 U36#10.5 U37#6.1 U37#6.5 U38#8.1 U38#8.5 U39#7.1 U39#7.5 U40#5.1 U40#5.5 U41#5.1 U41#5.5 U42#9.1 U42#9.5 U43#8.1 U43#8.5 U44#4.1 U44#4.5 U45#10.1 U45#10.5 U46#8.1 U46#8.5 U47#10.1 U47#10.5 U48#5.1 U48#5.5 U49#4.1 U49#4.5 U50#9.1 U50#9.5 U51.1 U51.5 U52#6.1 U52#6.5 U53#3.1 U53#3.5 U54#2.1 U54#2.5 U55#3.1 U55#3.5 U56#8.1 U56#8.5 U57#7.1 U57#7.5 U58#8.1 U58#8.5 U59#3.1 U59#3.5 U60#2.1 U60#2.5
Board_2-GND: C1#7.2 C2#2.2 C3#2.2 C4#6.2 C5#7.2 C6#8.2 C7#9.2 C8#6.2 C9#8.2 C10#2.2 C11#2.2 C12#5.2 C13#8.2 C14#4.2 C15.2 C16#3.2 C17#10.2 C18#7.2 C19#4.2 C20#9.2 C21#5.2 C22#2.2 C23#2.2 C24.2 C25#5.2 C26#7.2 C27#10.2 C28#10.2 C29#4.2 C30.2 J1#10.3 J2#5.3 J3#3.3 J4#10.3 J5#2.3 J6#5.3 J7#3.3 J8#9.3 J9#3.3 J10#9.3 J11.3 J12#8.3 J13#5.3 J14#7.3 J15#10.3 J16#3.3 J17#6.3 J18#2.3 J19#2.3 J20#4.3 J21#7.3 J22#10.3 J23#7.3 J24#9.3 J25.3 J26#3.3 J27#5.3 J28.3 J29.3 J30#4.3 J31#3.3 U1.4 U2#8.4 U3#3.4 U4#3.4 U5#5.4 U6#9.4 U7#3.4 U8#5.4 U9.4 U10.4 U11#5.4 U12#6.4 U13#7.4 U14.4 U15.4 U16#3.4 U17#9.4 U18#9.4 U19#7.4 U20#7.4 U21#6.4 U22#7.4 U23.4 U24.4 U25#5.4 U26#7.4 U27#5.4 U28#9.4 U29#3.4 U30#4.4 U31#8.4 U32#4.4 U33#6.4 U34.4 U35#8.4 U36#10.4 U37#6.4 U38#8.4 U39#7.4 U40#5.4 U41#5.4 U42#9.4 U43#8.4 U44#4.4 U45#10.4 U46#8.4 U47#10.4 U48#5.4 U49#4.4 U50#9.4 U51.4 U52#6.4 U53#3.4 U54#2.4 U55#3.4 U56#8.4 U57#7.4 U58#8.4 U59#3.4 U60#2.4
Board_2-Net-(J1-Pin_2): J1#10.2 U2#8.6
Board_2-Net-(J2-Pin_2): J2#5.2 U1.3 U4#3.6
Board_2-Net-(J3-Pin_2): J3#3.2 U3#3.3 U6#9.6
Board_2-Net-(J4-Pin_2): J4#10.2 U5#5.3 U8#5.6
Board_2-Net-(J5-Pin_2): J5#2.2 U7#3.3 U10.6
Board_2-Net-(J6-Pin_2): J6#5.2 U9.3 U12#6.6
Board_2-Net-(J7-Pin_2): J7#3.2 U11#5.3 U14.6
Board_2-Net-(J8-Pin_2): J8#9.2 U13#7.3 U16#3.6
Board_2-Net-(J9-Pin_2): J9#3.2 U15.3 U18#9.6
Board_2-Net-(J10-Pin_2): J10#9.2 U17#9.3 U20#7.6
Board_2-Net-(J11-Pin_2): J11.2 U19#7.3 U22#7.6
Board_2-Net-(J12-Pin_2): J12#8.2 U21#6.3 U24.6
Board_2-Net-(J13-Pin_2): J13#5.2 U23.3 U26#7.6
Board_2-Net-(J14-Pin_2): J14#7.2 U25#5.3 U28#9.6
Board_2-Net-(J15-Pin_2): J15#10.2 U27#5.3 U30#4.6
Board_2-Net-(J16-Pin_2): J16#3.2 U29#3.3 U32#4.6
Board_2-Net-(J17-Pin_2): J17#6.2 U31#8.3 U34.6
Board_2-Net-(J18-Pin_2): J18#2.2 U33#6.3 U36#10.6
Board_2-Net-(J19-Pin_2): J19#2.2 U35#8.3 U38#8.6
Board_2-Net-(J20-Pin_2): J20#4.2 U37#6.3 U40#5.6
Board_2-Net-(J21-Pin_2): J21#7.2 U39#7.3 U42#9.6
Board_2-Net-(J22-Pin_2): J22#10.2 U41#5.3 U44#4.6
Board_2-Net-(J23-Pin_2): J23#7.2 U43#8.3 U46#8.6
Board_2-Net-(J24-Pin_2): J24#9.2 U45#10.3 U48#5.6
Board_2-Net-(J25-Pin_2): J25.2 U47#10.3 U50#9.6
Board_2-Net-(J26-Pin_2): J26#3.2 U49#4.3 U52#6.6
Board_2-Net-(J27-Pin_2): J27#5.2 U51.3 U54#2.6
Board_2-Net-(J28-Pin_2): J28.2 U53#3.3 U56#8.6
Board_2-Net-(J29-Pin_2): J29.2 U55#3.3 U58#8.6
Board_2-Net-(J30-Pin_2): J30#4.2 U57#7.3 U60#2.6
